# Allegro board DPU_PoE_A1_SizeReduce.brd (continued)
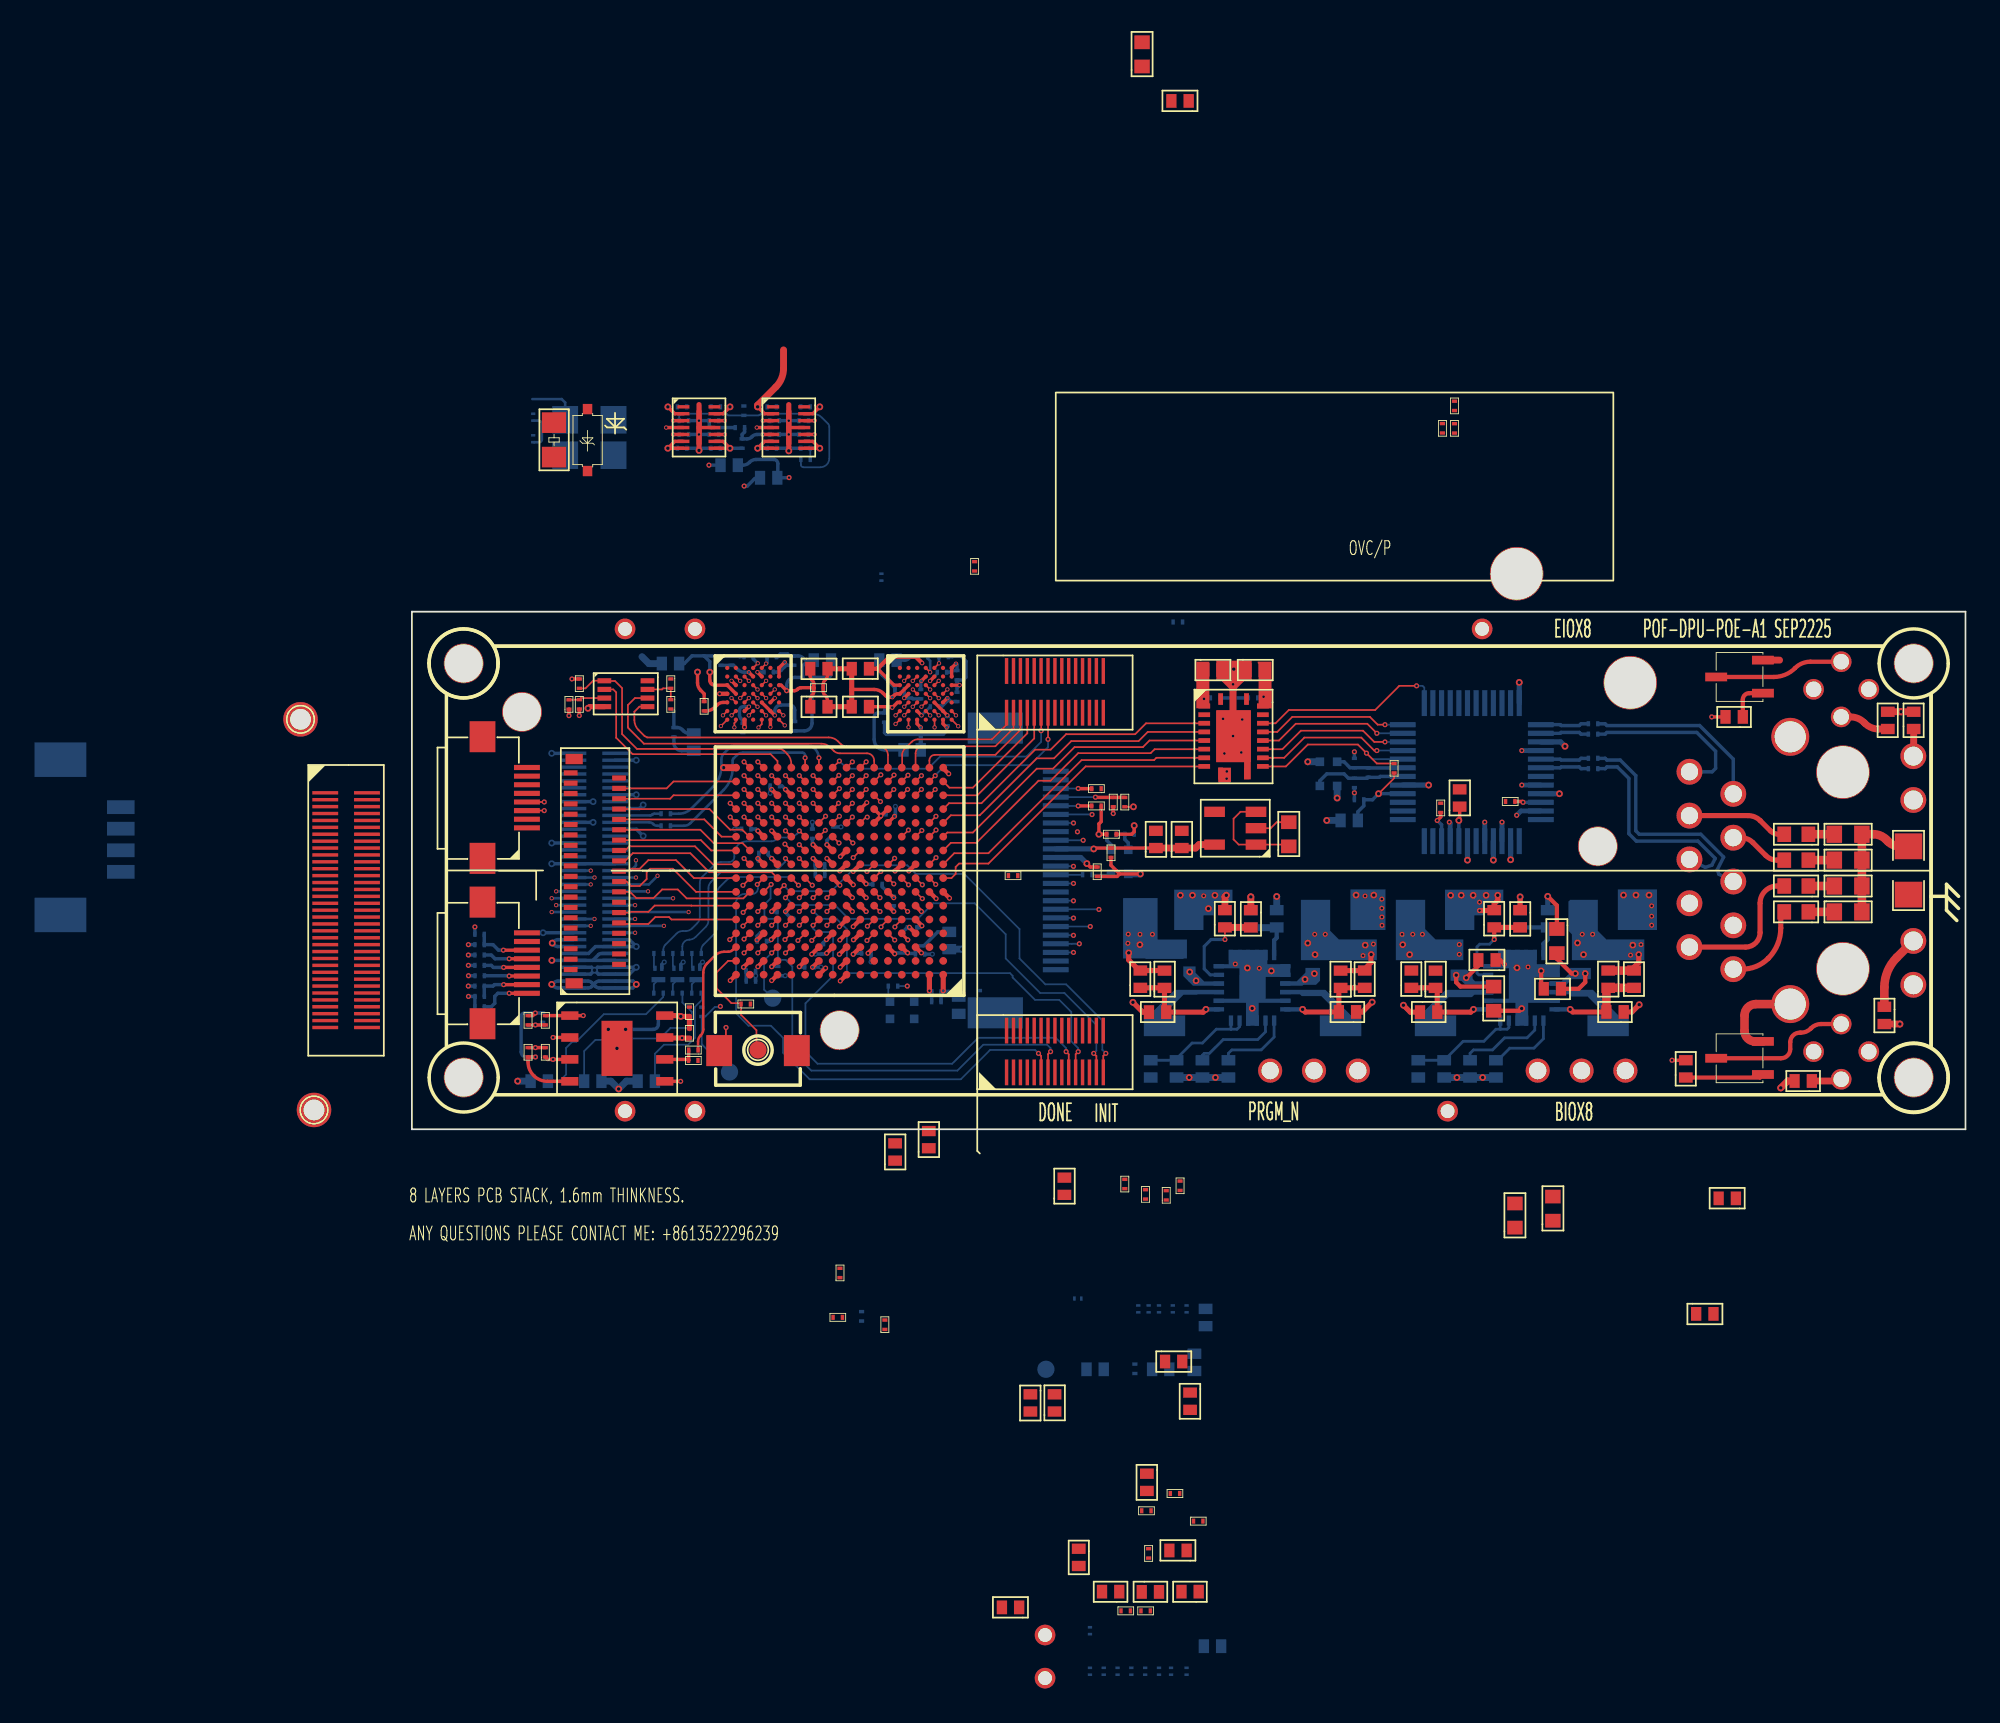
[diagram p0: board, top side]
## Routing (per net, layer and track width the routed paths; a pad name or vN(x,y) marks a point on that pad's centre or on a via; arc(x,y) is an arc through that point) (continued)
P2V8: length 3.7
  TOP w0.102: FB1.1 v3(41.8,18.69)
  BOTTOM w0.4: D18.2 v3(6.13,2.79) ; D19.2 11.53,2.79 v3(11.98,2.34) 12.43,2.79 D17.2
  vias: v1(57.36,11.3) v1(57.98,11.3) v1(58.54,11.3) v1(60.68,10.71) v1(60.68,10.14) v3(57.4,10.7) v3(57.8,10.13)
P3V3: length 22.5
  TOP w0.102: R24.2 56.9,20.35 v3(56,19.45)
  TOP w0.2: U6.7 v3(20.03,39.47) 20.43,39.87 U6.6 ; U6.2 20.43,41.47 v3(20.03,41.87)
  TOP w0.3: v3(71.07,10.13) 71.07,9.67 70.8,9.4 R8.2
  TOP w0.4: R7.2 v3(86.27,24.2) R6.2 ; R49.2 v3(86.2,6.1) ; R60.2 79.7,2.8 v3(79.3,2.4) ; 21.53,45.17 21.53,44.09 arc(21.42,43.52) 21.09,43.03 20.03,41.97 v3(20.03,41.87)
  TOP w0.5: C15.2 R8.2
  SIG-3 w0.3: v3(20.03,41.87) arc(19.39,41.61) 19.13,40.97 19.13,40.37 arc(19.39,39.73) v3(20.03,39.47)
  BOTTOM w0.2: U12.28 v3(56,19.45) 55.65,19.1 C27.2 55.14,18.74 54.8,18.4 C40.2 ; C2.1 49.27,25 v1(49.34,25.07) ; C119.1 v3(20.03,39.47)
  vias: v1(67.8,11.3) v1(68.4,11.3) v1(70.6,10.09) v1(71.2,10.71) v3(67.53,10.8) v3(67.87,10.13) v3(70.73,10.67)
P3V3A: length 7
  BOTTOM w0.28: U12.8 v1(64.3,19.95) ; U12.15 v1(63.15,17.8) ; U12.4 v1(64.3,21.95) ; U12.11 64.25,18.45 v1(64,18.2) ; U12.17 v1(62.15,17.8) ; U12.21 60.15,17.75 v1(60.1,17.8)
P5V0: length 24.4
  TOP w0.2: U5.4 v2(14.73,40.67) ; U5.6 15.23,39.87 v3(14.83,39.47) U5.7 ; U6.4 v2(19.98,40.67)
  TOP w0.25: v3(60.5,8.93) 60.5,8.52 60.75,8.27 C21.2 ; v3(61.08,8.78) 61.78,9.48 C14.2 ; v3(67.97,9.03) 67.97,8.52 67.59,8.14 C50.2 ; v3(67.4,9.03) 67.18,9.03 66.33,9.88 C20.2
  TOP w0.3: R18.1 v3(64.2,13.47)
  TOP w0.4: R57.1 v3(48.6,13.47)
  BOTTOM w0.15: C107.2 8.88,42.12 8.68,42.32 6.98,42.32
  BOTTOM w0.2: C121.1 v3(14.83,39.47)
  BOTTOM w0.3: R18.1 v3(64.2,13.47)
  BOTTOM w0.4: R76.2 v3(46.55,3) R77.2 v3(45.03,3) R35.2 ; R1.2 v3(60.54,3) R66.2 v3(62.03,3) R65.2 ; R84.2 v3(48.6,13.47)
  vias: v3(45.06,9.12) v3(45.43,8.61) v3(51.74,8.69) v3(52.28,9.02)
BIO-3: length 0.5
  TOP w0.102: v1(22.44,13.42) U7.G11
BIO-7_3296077: length 4.1
  BOTTOM w0.2: R91.2 19.18,38.49 arc(19.37,38.53) 19.54,38.64 19.57,38.67 arc(19.74,38.78) 19.93,38.82 20.96,38.82 arc(21.13,38.75) 21.2,38.58 21.2,37.79 R92.2 21.84,37.76 v1(21.85,37.77)
BIO-9: length 0.6
  TOP w0.102: v1(23.2,14.14) U7.H11
C13: length 3.5
  TOP w0.102: v1(20.84,10.22) U7.C13
  BOTTOM w0.102: TP8.1 20.4,8.1 20.4,9.78 v1(20.84,10.22)
DONE: length 7.2
  TOP w0.102: TP4.1 19.96,4.69 19.96,5.74 19.07,6.63 R53.1 19.02,7.31 18.51,7.31 17.65,8.17 17.65,9.09 18.32,9.76 U7.B16
DVP_D0: length 20
  TOP w0.102: v1(27.98,11.73) 27.98,11.76 U7.E4
  SIG-6 w0.102: v1(39.3,11.75) 36.59,11.75 arc(36.51,11.72) 36.48,11.64 36.48,11.48 arc(36.46,11.36) 36.39,11.26 36.34,11.2 arc(36.27,11.04) 36.34,10.89 arc(36.44,10.73) 36.48,10.54 36.48,9.79 arc(36.36,9.51) 36.08,9.39 35.2,9.39 arc(35.03,9.36) 34.88,9.26 34.87,9.24 arc(34.74,9.19) 34.61,9.24 34.46,9.39 arc(34.33,9.44) 34.2,9.39 34.05,9.24 arc(33.93,9.19) 33.8,9.24 33.65,9.39 arc(33.52,9.44) 33.39,9.39 33.33,9.33 arc(33.11,9.24) 32.89,9.33 32.83,9.39 arc(32.71,9.44) 32.58,9.39 32.51,9.32 arc(32.3,9.23) 32.09,9.32 32.02,9.39 arc(31.89,9.44) 31.77,9.39 31.7,9.33 arc(31.49,9.24) 31.27,9.33 31.21,9.39 arc(31.08,9.44) 30.95,9.39 30.8,9.24 arc(30.67,9.19) 30.55,9.24 30.53,9.26 arc(30.38,9.36) 30.21,9.39 27.63,9.39 arc(27.56,9.42) 27.53,9.49 27.53,11.03 arc(27.57,11.22) 27.68,11.39 27.8,11.5 27.8,11.54 v1(27.98,11.73)
  BOTTOM w0.102: J6.19 v1(39.3,11.75)
DVP_D1: length 18.6
  TOP w0.102: v1(26.39,11.77) U7.E6
  SIG-6 w0.102: v1(38.67,10.75) 37.69,10.75 37.52,10.58 arc(37.42,10.42) 37.38,10.24 37.38,9.65 arc(37.34,9.46) 37.23,9.29 36.73,8.79 arc(36.56,8.68) 36.37,8.64 26.96,8.64 26.6,9 26.6,10.1 26.8,10.3 26.8,11.36 v1(26.39,11.77)
  BOTTOM w0.102: v1(38.67,10.75) 38.24,10.75 38.23,10.75 J6.21
DVP_D2: length 17.5
  TOP w0.102: v1(26.36,10.94) U7.D6
  SIG-6 w0.102: v1(38.33,10.25) 38.11,10.25 arc(37.9,9.94) 37.83,9.57 37.83,9.3 arc(37.79,9.11) 37.68,8.94 37.23,8.49 arc(37.13,8.42) 37.01,8.4 29.7,8.4 29.2,7.9 28.5,7.9 28.1,8.3 26.9,8.3 26.3,8.9 26.3,10.88 v1(26.36,10.94)
  BOTTOM w0.102: J6.22 v1(38.33,10.25)
DVP_D3: length 17.9
  TOP w0.102: v1(27.18,11.73) 27.18,11.76 U7.E5
  SIG-6 w0.102: v1(27.18,11.73) 27.18,9.9 arc(27.14,9.71) 27.03,9.54 26.93,9.44 26.93,9.16 27.01,9.07 27.14,9.04 27.17,9.04 arc(27.27,9.02) 27.36,8.96 arc(27.53,8.89) 27.7,8.96 27.74,9 arc(27.96,9.09) 28.18,9 28.23,8.94 arc(28.36,8.89) 28.5,8.94 28.55,9 arc(28.77,9.09) 28.99,9 29.05,8.94 arc(29.18,8.89) 29.3,8.94 29.39,9.03 arc(29.58,9.11) 29.77,9.03 29.86,8.94 36.02,8.94 arc(36.21,8.98) 36.38,9.09 36.78,9.49 arc(36.89,9.66) 36.93,9.85 36.93,10.99 arc(37,11.17) 37.18,11.24 v1(38.33,11.24)
  BOTTOM w0.102: v1(38.33,11.24) 38.32,11.25 J6.20
DVP_D4: length 17.7
  TOP w0.102: v1(27.97,10.97) U7.D5
  SIG-6 w0.102: v1(38.33,12.24) 37.64,12.24 37.49,12.39 36.87,12.39 36.72,12.24 36.22,12.24 arc(35.98,12.14) 35.88,11.9 35.88,11.78 arc(35.87,11.74) 35.85,11.71 35.73,11.59 arc(35.69,11.49) 35.73,11.39 35.84,11.28 arc(35.93,11.07) 35.84,10.85 35.58,10.59 arc(35.55,10.52) 35.58,10.45 35.88,10.15 arc(35.76,9.86) 35.47,9.74 33.17,9.74 arc(32.96,9.82) 32.88,10.03 32.88,10.05 arc(32.8,10.26) 32.59,10.34 32.53,10.34 arc(32.35,10.27) 32.28,10.09 32.28,9.9 arc(32.27,9.84) 32.24,9.8 32.22,9.78 arc(32.18,9.75) 32.12,9.74 31.92,9.74 arc(31.75,9.81) 31.68,9.98 31.68,10.03 arc(31.6,10.21) 31.42,10.29 31.34,10.29 arc(31.16,10.21) 31.08,10.03 31.08,9.95 arc(31.02,9.8) 30.87,9.74 30.84,9.74 arc(30.69,9.8) 30.63,9.95 30.63,10.03 arc(30.55,10.21) 30.37,10.29 30.32,10.29 arc(30.11,10.21) 30.03,10 30.03,9.98 arc(29.95,9.77) 29.74,9.69 28.76,9.69 arc(28.46,9.82) 28.33,10.12 28.33,10.53 arc(28.32,10.57) 28.3,10.6 27.97,10.93 v1(27.97,10.97)
  BOTTOM w0.102: J6.18 38.32,12.25 v1(38.33,12.24)
DVP_D5: length 18
  TOP w0.102: U7.F6 v1(27.12,12.62)
  SIG-6 w0.102: v1(27.12,12.62) 27.13,12.61 27.13,12.24 arc(27.1,12.17) 27.03,12.14 25.98,12.14 arc(25.91,12.17) 25.88,12.24 25.88,13.62 arc(25.93,13.75) 26.06,13.8 26.42,13.8 arc(26.6,13.72) 26.68,13.54 26.68,13.09 arc(26.72,12.98) 26.83,12.94 31.95,12.94 arc(32.01,12.95) 32.05,12.98 32.05,12.98 arc(32.12,13.03) 32.19,13.04 32.81,13.04 32.81,13.04 36.02,13.04 36.03,13.04 36.75,13.04 arc(36.87,13.06) 36.97,13.13 36.99,13.15 arc(37.09,13.22) 37.21,13.24 v1(38.33,13.24)
  BOTTOM w0.102: v1(38.33,13.24) 38.32,13.25 J6.16
DVP_D6: length 17.7
  TOP w0.102: v1(29.57,13.37) U7.G3
  SIG-6 w0.102: v1(38.33,14.25) 37.48,14.25 37.38,14.15 37.38,13.7 37.28,13.6 37.07,13.6 36.97,13.7 36.97,14.15 36.87,14.25 36.43,14.25 36.33,14.15 36.33,13.6 36.22,13.5 36.02,13.5 35.92,13.6 35.92,14.15 35.82,14.25 35.61,14.25 35.51,14.15 35.51,13.6 35.41,13.5 35.21,13.5 35.11,13.6 35.11,14.15 35,14.25 34.8,14.25 34.7,14.15 34.7,13.6 34.6,13.5 34.39,13.5 34.29,13.6 34.29,14.15 34.19,14.25 33.99,14.25 33.89,14.15 33.89,13.6 33.78,13.5 33.58,13.5 33.48,13.6 33.48,14.15 33.38,14.25 33.15,14.25 32.7,13.8 32.2,13.8 31.77,13.37 31.5,13.37 31.4,13.47 31.4,13.6 31.3,13.7 31.09,13.7 30.99,13.6 30.99,13.47 30.89,13.37 30.69,13.37 30.59,13.47 30.59,13.6 30.48,13.7 30.28,13.7 30.18,13.6 30.18,13.47 30.08,13.37 v1(29.57,13.37)
  BOTTOM w0.102: J6.14 v1(38.33,14.25)
DVP_D7: length 17.7
  TOP w0.102: v1(30.34,14.19) U7.H2
  SIG-6 w0.102: v1(30.34,14.19) 30.38,14.15 30.52,14.15 arc(30.63,14.2) 30.68,14.31 30.68,14.43 arc(30.6,14.61) 30.42,14.69 29.58,14.69 arc(29.46,14.71) 29.37,14.78 29.34,14.8 arc(29.31,14.88) 29.34,14.95 29.36,14.97 arc(29.44,15.02) 29.54,15.04 31.17,15.04 arc(31.49,14.9) 31.63,14.58 31.63,14.28 arc(31.69,14.15) 31.82,14.09 31.84,14.09 arc(31.97,14.15) 32.03,14.28 32.03,15.14 arc(31.99,15.25) 31.88,15.29 31.85,15.29 arc(31.72,15.32) 31.61,15.39 31.61,15.39 arc(31.56,15.5) 31.61,15.62 31.62,15.63 arc(31.69,15.67) 31.77,15.69 32.29,15.69 arc(32.42,15.63) 32.48,15.5 32.48,15.41 arc(32.5,15.3) 32.57,15.21 arc(32.67,15.16) 32.77,15.21 32.8,15.24 arc(32.83,15.28) 32.84,15.33 32.84,15.55 arc(32.85,15.6) 32.88,15.64 32.89,15.65 arc(32.93,15.68) 32.98,15.69 33.4,15.69 arc(33.45,15.7) 33.49,15.73 33.51,15.74 arc(33.53,15.78) 33.54,15.83 33.54,15.85 arc(33.55,15.9) 33.58,15.94 33.59,15.95 arc(33.63,15.98) 33.68,15.99 33.7,15.99 arc(33.75,15.98) 33.79,15.95 33.81,15.94 arc(33.84,15.89) 33.85,15.84 33.85,15.82 arc(33.88,15.74) 33.95,15.71 34.04,15.71 arc(34.08,15.72) 34.12,15.74 arc(34.14,15.78) 34.15,15.83 34.15,15.85 arc(34.16,15.9) 34.19,15.94 arc(34.22,15.96) 34.26,15.97 34.35,15.97 arc(34.39,15.96) 34.42,15.94 arc(34.45,15.89) 34.46,15.84 arc(34.5,15.75) 34.58,15.71 34.76,15.71 arc(34.8,15.72) 34.83,15.74 34.98,15.89 arc(35.17,15.97) 35.35,15.89 35.45,15.79 arc(35.54,15.73) 35.64,15.71 35.87,15.71 arc(35.91,15.72) 35.94,15.74 arc(35.97,15.78) 35.98,15.83 35.98,15.85 arc(35.99,15.9) 36.02,15.94 36.03,15.95 arc(36.07,15.98) 36.12,15.99 36.14,15.99 arc(36.19,15.98) 36.23,15.95 36.25,15.93 arc(36.28,15.89) 36.29,15.84 arc(36.33,15.75) 36.42,15.71 36.66,15.71 arc(36.89,15.67) 37.08,15.54 37.23,15.39 arc(37.4,15.28) 37.59,15.24 v1(38.33,15.24)
  BOTTOM w0.102: J6.12 38.33,15.25 v1(38.33,15.24)
DVP_HSYNC: length 19.1
  TOP w0.102: v1(29.57,14.17) U7.H3
  SIG-6 w0.102: v1(29.57,14.17) 29.62,14.12 29.62,13.94 arc(29.58,13.83) 29.47,13.79 29.36,13.79 29.17,13.94 29.17,14.34 29.13,14.38 29.13,14.39 arc(29.1,14.46) 29.03,14.49 28.95,14.57 28.55,14.57 28.38,14.85 28.38,14.93 arc(28.5,15.22) 28.79,15.34 29.17,15.34 arc(29.36,15.38) 29.53,15.49 29.55,15.51 arc(29.61,15.66) 29.55,15.82 29.41,15.96 arc(29.36,16.09) 29.41,16.22 29.43,16.24 arc(29.57,16.33) 29.74,16.37 29.78,16.37 arc(29.92,16.31) 29.98,16.17 29.98,15.7 arc(30.07,15.49) 30.28,15.4 30.45,15.4 arc(30.65,15.48) 30.73,15.68 30.73,15.7 arc(30.83,15.94) 31.07,16.04 32.7,16.04 arc(32.79,16.08) 32.83,16.17 32.83,16.56 arc(32.86,16.63) 32.93,16.66 33.16,16.66 33.23,16.59 33.23,16.4 arc(33.24,16.34) 33.27,16.3 33.29,16.28 arc(33.33,16.25) 33.39,16.24 33.42,16.24 arc(33.48,16.25) 33.53,16.29 33.57,16.33 arc(33.61,16.4) 33.63,16.48 33.63,16.59 arc(33.66,16.66) 33.73,16.69 33.84,16.69 arc(34.02,16.66) 34.16,16.56 34.3,16.42 arc(34.55,16.31) 34.81,16.42 34.92,16.53 arc(35.16,16.63) 35.39,16.53 35.48,16.44 arc(35.63,16.38) 35.78,16.44 35.85,16.51 arc(36.05,16.59) 36.26,16.51 36.27,16.5 arc(36.48,16.41) 36.69,16.5 36.78,16.59 arc(36.95,16.7) 37.14,16.74 38.88,16.74 v1(38.89,16.75)
  BOTTOM w0.102: v1(38.89,16.75) J6.9
DVP_MCLK: length 1.6
  BOTTOM w0.102: J6.13 38.85,14.75 R30.2
DVP_PCLK: length 16.4
  TOP w0.102: v1(28.72,12.62) U7.F4
  SIG-6 w0.102: v1(28.72,12.62) 28.87,12.47 28.87,12.45 29.03,12.29 arc(29.17,12.19) 29.34,12.16 30.24,12.16 30.5,11.9 30.9,11.9 31.18,12.18 31.5,12.18 31.6,12.08 31.6,11.74 31.7,11.64 31.9,11.64 32,11.74 32,12.4 arc(32.03,12.47) 32.1,12.5 32.33,12.5 arc(32.4,12.47) 32.43,12.4 32.43,12.15 arc(32.5,11.97) 32.68,11.9 34.86,11.9 35.7,12.74 v1(39.8,12.74)
  BOTTOM w0.102: v1(39.8,12.74) 39.79,12.75 J6.17
DVP_PWDN: length 9.6
  TOP w0.102: v1(30.36,15.74) U7.J2
  SIG-6 w0.102: v1(38.56,17.24) 36.95,17.24 arc(36.79,17.21) 36.66,17.12 36.65,17.11 arc(36.52,17.02) 36.36,16.99 32.94,16.99 arc(32.75,16.95) 32.58,16.84 32.25,16.51 arc(32.09,16.4) 31.89,16.37 30.5,16.37 arc(30.41,16.32) 30.36,16.23 v1(30.36,15.74)
DVP_RST: length 15.5
  TOP w0.102: U7.J5 27.62,15.36 v1(27.96,15.71)
  SIG-6 w0.102: v1(39.4,18.24) 37.14,18.24 arc(36.95,18.28) 36.78,18.39 36.73,18.44 arc(36.56,18.55) 36.37,18.59 33.99,18.59 arc(33.8,18.55) 33.63,18.44 32.93,17.74 arc(32.76,17.63) 32.57,17.59 32.39,17.59 arc(32.2,17.55) 32.03,17.44 31.68,17.09 arc(31.51,16.98) 31.32,16.94 28.99,16.94 arc(28.8,16.9) 28.63,16.79 28.11,16.27 arc(28,16.11) 27.96,15.93 v1(27.96,15.71)
  BOTTOM w0.102: J6.6 39.39,18.25 v1(39.4,18.24)
DVP_SCL: length 12.4
  TOP w0.102: v1(29.54,17.32) U7.L3
  TOP w0.2: v1(38.6,18.74) R17.2
  SIG-6 w0.102: v1(38.6,18.74) 37.39,18.74 arc(37.24,18.77) 37.11,18.86 37.08,18.89 arc(36.94,18.99) 36.76,19.02 33.64,19.02 arc(33.45,18.98) 33.28,18.87 32.63,18.22 arc(32.56,18.17) 32.47,18.16 32.45,18.16 arc(32.36,18.14) 32.29,18.09 32.04,17.84 arc(31.87,17.73) 31.68,17.69 29.91,17.69 v1(29.54,17.32)
  BOTTOM w0.102: J6.5 38.09,18.75 38.1,18.74 v1(38.6,18.74)
DVP_SDA: length 11.4
  TOP w0.102: v1(30.36,18.14) U7.M2
  TOP w0.2: R16.2 38.61,19.74 v1(38.6,19.75)
  SIG-6 w0.102: v1(30.36,18.14) 30.37,18.15 31.54,18.15 arc(31.73,18.19) 31.9,18.3 32.89,19.29 arc(33.06,19.4) 33.25,19.44 36.05,19.44 arc(36.23,19.47) 36.37,19.57 36.39,19.59 arc(36.57,19.71) 36.78,19.75 v1(38.6,19.75)
  BOTTOM w0.102: J6.3 v1(38.6,19.75)
DVP_VSYNC: length 17.8
  TOP w0.102: v1(28.77,14.17) U7.H4
  SIG-6 w0.102: v1(28.77,14.17) 28.77,13.89 arc(28.74,13.82) 28.67,13.79 27.78,13.79 arc(27.6,13.86) 27.53,14.04 27.53,15.09 arc(27.59,15.24) 27.74,15.3 27.96,15.3 arc(28.13,15.33) 28.26,15.42 28.32,15.48 arc(28.47,15.58) 28.66,15.62 28.68,15.62 arc(28.82,15.68) 28.88,15.82 28.88,16.27 arc(29,16.57) 29.3,16.69 31.67,16.69 arc(31.86,16.73) 32.03,16.84 32.33,17.14 arc(32.5,17.25) 32.69,17.29 32.97,17.29 arc(33.16,17.33) 33.33,17.44 33.49,17.6 arc(33.64,17.7) 33.82,17.74 33.84,17.74 arc(34.02,17.78) 34.17,17.88 34.23,17.94 arc(34.34,17.98) 34.44,17.94 34.48,17.9 arc(34.52,17.83) 34.54,17.75 34.54,17.73 arc(34.56,17.65) 34.6,17.58 34.64,17.54 arc(34.74,17.5) 34.85,17.54 34.88,17.58 arc(34.93,17.65) 34.95,17.73 34.95,17.75 arc(34.96,17.83) 35.01,17.9 35.05,17.94 arc(35.15,17.98) 35.25,17.94 35.29,17.9 arc(35.34,17.83) 35.35,17.75 35.35,17.73 arc(35.37,17.65) 35.42,17.58 35.45,17.54 arc(35.56,17.5) 35.66,17.54 35.7,17.58 arc(35.74,17.65) 35.76,17.73 35.76,17.75 arc(35.78,17.83) 35.82,17.9 35.86,17.94 arc(35.96,17.98) 36.07,17.94 36.17,17.83 arc(36.28,17.76) 36.4,17.74 38.16,17.74 38.17,17.75 v1(38.33,17.75)
  BOTTOM w0.102: v1(38.33,17.75) J6.7
E_CSN: length 18
  TOP w0.102: U3.9 39.03,21.03 33.4,15.4 31.7,15.4 31.5,15.2 31.5,14.8 31.26,14.56 U7.H1
E_INT: length 17.3
  TOP w0.102: U7.M1 31.22,18.2 32.9,18.2 36.2,21.5 37.2,21.5 38.2,22.5 42.1,22.5 42.63,23.03 U3.5
E_MISO: length 17.6
  TOP w0.102: 30.78,16.16 31.22,16.6 32.7,16.6 36.3,20.2 37,20.2 38.6,21.8 42.8,21.8 43.03,22.03 U3.7
E_MOSI: length 17.4
  TOP w0.102: U3.6 42.73,22.53 42.35,22.15 38.39,22.15 37.14,20.9 36.2,20.9 32.5,17.2 31.02,17.2 U7.L1
E_RST: length 17.2
  TOP w0.102: U7.N1 31.12,18.9 33,18.9 36.1,22 37,22 37.9,22.9 41.9,22.9 42.53,23.53 U3.4
E_SCLK: length 17.7
  TOP w0.102: U7.J1 31.42,16 33.4,16 38.8,21.4 43,21.4 43.13,21.53 U3.8
EIO-2: length 0.5
  TOP w0.102: v1(27.92,14.22) U7.H5
EIO-3: length 0.5
  TOP w0.102: v1(27.16,14.94) U7.H6
EIO-4: length 0.5
  TOP w0.102: v1(27.12,13.42) U7.G6
EIO-5: length 0.6
  TOP w0.102: v1(26.36,14.94) U7.J6
EN_ME1: length 6.9
  BOTTOM w0.16: U14.5 47.95,5.95 47.8,5.8 47.45,5.8 ; U14.6 47.45,5.8 ; 47.45,5.8 46.6,5.8 45.8,5 45.2,5 44.3,4.1 R35.1 R36.1
EN_ME2: length 6.9
  BOTTOM w0.16: U11.6 63.05,5.8 ; 63.05,5.8 63.45,5.8 63.55,5.9 U11.5 ; 63.05,5.8 62.8,5.8 62.1,5.1 60.9,5.1 R1.1 R2.1
ETH_CSN: length 10.8
  TOP w0.102: U3.12 50.63,21.03 51.9,22.3 54.8,22.3 v1(55.3,21.8) 55.9,21.2 R24.1
  BOTTOM w0.102: v1(55.3,21.8) 55.65,21.45 U12.32
ETH_INT: length 8.6
  TOP w0.102: v1(56.37,23.45) 55.95,23.45 55.5,23.9 51,23.9 50.13,23.03 U3.16
  BOTTOM w0.102: U12.36 v1(56.37,23.45)
ETH_MISO: length 8.8
  TOP w0.102: v1(56.37,22.45) 55.75,22.45 55.1,23.1 51.5,23.1 50.43,22.03 U3.14
  BOTTOM w0.102: U12.34 v1(56.37,22.45)
ETH_MOSI: length 8.7
  TOP w0.102: v1(55.9,22.95) 55.35,23.5 51.2,23.5 50.23,22.53 U3.15
  BOTTOM w0.102: U12.35 v1(55.9,22.95)
ETH_RST: length 11.2
  TOP w0.102: U3.17 50.03,23.53 50.8,24.3 55.8,24.3 57.2,25.7 v1(58.2,25.7)
  BOTTOM w0.102: U12.37 58.65,25.6 58.55,25.7 v1(58.2,25.7)
ETH_SCLK: length 8.9
  TOP w0.102: U3.13 50.53,21.53 51.7,22.7 55,22.7 55.75,21.95 v1(55.9,21.95)
  BOTTOM w0.102: U12.33 v1(55.9,21.95)
FP_LED0: length 21.4
  TOP w0.102: J9.3 v1(7.67,18.47) ; v1(26.38,18.09) 26.31,18.09 U7.M7
  SIG-6 w0.102: v1(7.67,18.47) 14.23,18.47 15.4,17.3 19.2,17.3 19.6,16.9 25.19,16.9 v1(26.38,18.09)
FP_LED1: length 20
  TOP w0.102: v1(25.52,18.1) U7.M8 ; J9.4 v1(7.67,18.97)
  SIG-6 w0.102: v1(25.52,18.1) 25.12,17.7 15.8,17.7 14.53,18.97 v1(7.67,18.97)
H1_CKN: length 14.6
  TOP w0.102: U7.T8 v1(25.52,21.3) ; U2.B2 v2(28.52,25.99)
  SIG-6 w0.102: v2(28.52,25.99) 28.47,25.94 28.1,25.94 arc(27.95,26) 27.89,26.15 27.89,26.52 arc(27.95,26.67) 28.1,26.73 28.56,26.73 arc(28.91,26.88) 29.06,27.23 29.06,27.26 arc(28.9,27.65) 28.51,27.81 25.54,27.81 arc(25.14,27.65) 24.98,27.25 24.98,22.63 arc(25.02,22.43) 25.13,22.27 25.67,21.73 arc(25.72,21.6) 25.67,21.47 25.52,21.32 v1(25.52,21.3)
H1_CKP: length 14.8
  TOP w0.102: v2(29.02,25.99) U2.B3 ; v1(26.32,21.3) U7.T7
  SIG-6 w0.102: v2(29.02,25.99) 28.98,25.99 28.71,25.72 arc(28.62,25.66) 28.52,25.64 28.1,25.64 arc(27.74,25.79) 27.59,26.15 27.59,26.52 arc(27.74,26.88) 28.1,27.03 28.56,27.03 arc(28.7,27.09) 28.76,27.23 28.76,27.26 arc(28.68,27.44) 28.51,27.51 25.54,27.51 arc(25.36,27.43) 25.28,27.25 25.28,22.63 arc(25.3,22.55) 25.34,22.48 25.88,21.94 arc(25.99,21.77) 26.03,21.58 26.03,21.58 v1(26.32,21.3)
H1_CS: length 19.4
  TOP w0.102: v2(30.02,26.49) U2.A4 ; v1(27.92,19.7) U7.P5
  SIG-6 w0.102: v1(27.92,19.7) 28.29,19.33 28.31,19.33 arc(28.4,19.3) 28.49,19.29 30.54,19.29 arc(30.65,19.34) 30.7,19.45 30.7,19.91 arc(30.71,19.97) 30.75,20.03 arc(30.81,20.07) 30.87,20.08 31.23,20.08 arc(31.42,20.12) 31.59,20.23 31.68,20.32 arc(31.85,20.43) 32.04,20.47 33.07,20.47 arc(33.26,20.51) 33.43,20.62 35.24,22.43 arc(35.35,22.6) 35.39,22.79 35.39,24.89 arc(35.35,25.08) 35.24,25.25 34.25,26.24 arc(34.08,26.35) 33.89,26.39 30.18,26.39 arc(30.12,26.4) 30.08,26.43 v2(30.02,26.49)
  BOTTOM w0.15: R62.1 29.88,27.29 30.02,27.15 v2(30.02,26.49)
H1_D0: length 15.2
  TOP w0.102: v1(26.32,19.7) U7.P7 ; v2(30.02,24.99) U2.D4
  SIG-6 w0.102: v1(26.32,19.7) 26.49,19.52 26.49,19.49 arc(26.55,19.46) 26.62,19.45 27.34,19.45 arc(27.41,19.48) 27.44,19.55 27.44,19.67 arc(27.44,19.71) 27.41,19.74 arc(27.38,19.77) 27.34,19.78 26.92,19.78 arc(26.85,19.8) 26.82,19.88 26.82,19.98 arc(26.86,20.07) 26.95,20.11 28.23,20.11 arc(28.34,20.16) 28.39,20.27 28.39,21.28 arc(28.41,21.38) 28.47,21.47 28.96,21.96 arc(29.08,22.04) 29.22,22.07 31.89,22.07 arc(32.25,22.22) 32.4,22.58 arc(32.39,22.64) 32.36,22.69 arc(32.28,22.87) 32.36,23.05 32.49,23.18 arc(32.57,23.37) 32.49,23.56 31.88,24.17 arc(31.68,24.3) 31.45,24.35 30.09,24.35 arc(30.05,24.36) 30.02,24.38 29.98,24.42 arc(29.95,24.49) 29.98,24.56 30.1,24.68 arc(30.15,24.8) 30.1,24.91 v2(30.02,24.99)
H1_D1: length 15
  TOP w0.102: v1(25.52,20.5) 25.18,20.16 ; v2(29.02,25.49) U2.D3
  SIG-6 w0.102: v1(25.52,20.5) 25.85,20.83 25.99,20.83 arc(26.05,20.84) 26.11,20.84 26.44,20.84 arc(26.61,20.91) 26.68,21.08 26.68,21.78 arc(26.64,21.97) 26.53,22.14 25.78,22.89 arc(25.67,23.06) 25.63,23.25 25.63,26.34 arc(25.66,26.42) 25.73,26.45 26.31,26.45 arc(26.38,26.48) 26.41,26.55 26.41,26.69 arc(26.38,26.76) 26.31,26.79 25.76,26.79 arc(25.69,26.82) 25.66,26.89 25.66,27.04 arc(25.69,27.12) 25.77,27.15 27.11,27.15 arc(27.24,27.1) 27.29,26.97 27.29,25.68 arc(27.38,25.46) 27.6,25.37 28.91,25.37 arc(28.99,25.4) 29.02,25.48 v2(29.02,25.49)
H1_D2: length 15.1
  TOP w0.102: v2(30.52,25.99) U2.C5 ; v1(29.52,19.7) U7.P3
  SIG-6 w0.102: v1(29.52,19.7) 29.52,19.82 29.62,19.92 29.77,19.92 arc(29.86,19.96) 29.9,20.05 29.9,20.76 arc(29.95,20.87) 30.06,20.92 32.9,20.92 arc(33.09,20.96) 33.26,21.07 34.81,22.62 arc(34.92,22.79) 34.96,22.98 34.96,24.78 arc(34.92,24.97) 34.81,25.14 34.01,25.94 arc(33.84,26.05) 33.65,26.09 30.68,26.09 arc(30.62,26.08) 30.58,26.05 v2(30.52,25.99)
H1_D3: length 15
  TOP w0.102: v1(28.74,20.52) 28.38,20.16 ; v2(30.52,24.99) U2.D5
  SIG-6 w0.102: v2(30.52,24.99) 30.52,24.74 arc(30.55,24.67) 30.62,24.64 31.94,24.64 arc(31.99,24.63) 32.03,24.6 32.04,24.59 arc(32.07,24.55) 32.08,24.5 32.08,24.4 arc(32.13,24.29) 32.24,24.24 32.41,24.24 arc(32.48,24.27) 32.51,24.34 32.51,24.6 arc(32.54,24.68) 32.62,24.71 32.9,24.71 arc(33.02,24.66) 33.07,24.54 arc(33.04,24.41) 32.97,24.3 32.74,24.07 arc(32.69,23.96) 32.74,23.85 32.81,23.78 arc(32.88,23.75) 32.95,23.78 33.13,23.96 33.13,23.98 arc(33.17,24.06) 33.25,24.1 33.33,24.1 33.64,23.79 arc(33.67,23.75) 33.68,23.7 33.68,23.68 arc(33.67,23.63) 33.64,23.58 33.63,23.57 arc(33.58,23.54) 33.53,23.53 33.18,23.53 arc(33.11,23.5) 33.08,23.43 33.08,23.28 arc(33.11,23.21) 33.18,23.18 33.36,23.18 arc(33.43,23.15) 33.46,23.08 33.46,22.94 arc(33.39,22.79) 33.24,22.72 33.22,22.72 arc(33.11,22.75) 33.01,22.81 32.91,22.91 arc(32.83,22.94) 32.76,22.91 32.66,22.81 arc(32.63,22.74) 32.66,22.67 32.84,22.49 arc(32.87,22.42) 32.84,22.35 32.45,21.96 arc(32.28,21.85) 32.09,21.81 29.56,21.81 arc(29.33,21.76) 29.13,21.63 28.92,21.42 arc(28.79,21.22) 28.74,20.99 v1(28.74,20.52)
H1_D4: length 15
  TOP w0.102: v2(31.02,25.49) U2.D6 ; v1(28.72,19.7) U7.P4
  SIG-6 w0.102: v1(28.72,19.7) 29,19.98 29.03,19.98 arc(29.1,20.12) 29.13,20.28 29.13,21.03 arc(29.27,21.38) 29.62,21.52 32.33,21.52 arc(32.52,21.56) 32.69,21.67 33.89,22.87 arc(34.04,23.09) 34.09,23.35 34.09,23.95 arc(34.05,24.06) 33.94,24.11 33.82,24.11 arc(33.69,24.16) 33.63,24.3 33.63,24.35 arc(33.66,24.42) 33.73,24.45 34,24.45 arc(34.07,24.48) 34.1,24.55 34.1,24.7 arc(34.07,24.77) 34,24.8 33.77,24.8 arc(33.7,24.83) 33.67,24.9 33.67,25.07 arc(33.65,25.18) 33.58,25.27 33.57,25.29 arc(33.49,25.32) 33.4,25.29 33.38,25.27 arc(33.34,25.21) 33.33,25.14 33.33,25.12 arc(33.32,25.06) 33.28,25 33.23,24.95 arc(33.14,24.91) 33.05,24.95 33.04,24.96 arc(33.02,25) 33.01,25.04 33.01,25.34 arc(32.98,25.41) 32.91,25.44 32.84,25.44 arc(32.79,25.43) 32.76,25.41 32.49,25.14 arc(32.32,25.03) 32.13,24.99 31.74,24.99 arc(31.55,25.03) 31.38,25.14 31.03,25.49 v2(31.02,25.49)
H1_D5: length 15.1
  TOP w0.102: v1(27.93,20.53) 27.93,20.51 27.58,20.16 ; v2(29.52,24.49) U2.E4
  SIG-6 w0.102: v1(27.93,20.53) 27.92,20.54 27.92,20.79 arc(27.9,20.87) 27.85,20.95 27.84,20.96 arc(27.79,21.03) 27.77,21.12 27.77,21.17 arc(27.8,21.24) 27.87,21.27 27.93,21.27 arc(28.01,21.3) 28.04,21.38 28.04,21.46 arc(28.03,21.51) 28,21.55 27.95,21.6 27.86,21.6 27.76,21.7 arc(27.73,21.78) 27.76,21.85 27.77,21.86 arc(27.84,21.9) 27.92,21.92 28.1,21.92 arc(28.29,21.96) 28.46,22.07 28.83,22.44 arc(29.05,22.53) 29.26,22.44 arc(29.4,22.38) 29.54,22.44 29.6,22.5 arc(29.69,22.56) 29.8,22.58 29.83,22.58 arc(29.93,22.6) 30.02,22.66 30.03,22.67 arc(30.12,22.73) 30.22,22.75 30.39,22.75 arc(30.52,22.69) 30.58,22.56 30.58,22.54 30.68,22.44 arc(30.75,22.41) 30.83,22.44 31.02,22.64 arc(31.06,22.66) 31.1,22.67 31.17,22.67 31.24,22.6 31.24,22.52 arc(31.27,22.45) 31.34,22.42 31.49,22.42 arc(31.56,22.45) 31.59,22.52 31.59,22.75 arc(31.62,22.82) 31.69,22.85 31.8,22.85 arc(31.88,22.87) 31.95,22.91 31.99,22.95 arc(32.12,23.27) 31.99,23.59 31.94,23.64 arc(31.9,23.67) 31.85,23.68 31.41,23.68 arc(31.33,23.64) 31.29,23.56 31.29,23.12 arc(31.26,23.04) 31.19,23.01 30.69,23.01 arc(30.62,23.04) 30.59,23.12 30.59,23.4 arc(30.57,23.53) 30.5,23.63 30.49,23.64 arc(30.24,23.74) 30,23.64 29.94,23.58 arc(29.91,23.54) 29.9,23.48 29.9,23.01 arc(29.87,22.94) 29.8,22.91 29.25,22.91 arc(29.15,22.95) 29.11,23.05 29.11,23.7 29.18,23.77 29.18,23.97 arc(29.21,24.13) 29.3,24.26 29.52,24.48 v2(29.52,24.49)
H1_D6: length 15.1
  TOP w0.102: v1(27.16,20.54) 26.78,20.16 ; v2(29.02,24.49) U2.E3
  SIG-6 w0.102: v1(27.16,20.54) 27.4,20.78 27.4,20.8 arc(27.42,20.87) 27.43,20.95 27.43,22.11 arc(27.39,22.3) 27.28,22.47 26.43,23.32 arc(26.32,23.49) 26.28,23.68 26.28,24.34 arc(26.33,24.45) 26.44,24.5 27.27,24.5 arc(27.34,24.47) 27.37,24.4 27.37,24.28 arc(27.34,24.21) 27.27,24.18 26.71,24.18 arc(26.64,24.15) 26.61,24.08 26.61,23.94 arc(26.64,23.87) 26.71,23.84 27.44,23.84 arc(27.51,23.81) 27.54,23.74 27.54,23.64 arc(27.51,23.56) 27.44,23.54 27.06,23.54 arc(27.01,23.53) 26.98,23.5 26.96,23.49 arc(26.94,23.45) 26.93,23.41 26.93,23.39 arc(26.94,23.34) 26.96,23.31 27.43,22.84 arc(27.53,22.8) 27.62,22.84 27.68,22.89 arc(27.71,22.94) 27.72,23 27.72,23.02 arc(27.73,23.08) 27.76,23.12 arc(27.91,23.18) 28.05,23.12 28.12,23.05 arc(28.18,22.91) 28.12,22.77 28.1,22.74 arc(28.05,22.71) 27.99,22.7 arc(27.83,22.64) 27.77,22.48 27.77,22.44 arc(27.81,22.34) 27.91,22.3 28.09,22.3 arc(28.36,22.41) 28.47,22.68 28.47,23.27 arc(28.51,23.46) 28.62,23.63 28.74,23.75 arc(28.84,23.9) 28.88,24.08 28.88,24.26 arc(28.9,24.34) 28.94,24.41 v2(29.02,24.49)
H1_D7: length 15
  TOP w0.102: v2(28.52,24.49) U2.E2 ; v1(26.32,20.5) 25.98,20.16
  SIG-6 w0.102: v1(26.32,20.5) 26.33,20.51 26.55,20.51 26.93,20.89 arc(27.04,21.06) 27.08,21.25 27.08,22.03 arc(27.04,22.22) 26.93,22.39 26.08,23.24 arc(25.97,23.41) 25.93,23.6 25.93,26.01 arc(25.97,26.1) 26.06,26.14 26.57,26.14 arc(26.64,26.17) 26.67,26.24 26.67,26.41 arc(26.7,26.48) 26.77,26.51 26.92,26.51 arc(26.99,26.48) 27.02,26.41 27.02,25.92 arc(26.99,25.84) 26.91,25.81 26.31,25.81 arc(26.23,25.78) 26.2,25.7 26.2,25.51 arc(26.23,25.44) 26.3,25.41 26.98,25.41 arc(27.06,25.38) 27.09,25.3 27.09,25.18 arc(27.07,25.11) 26.99,25.08 26.35,25.08 arc(26.31,25.08) 26.27,25.05 26.26,25.04 arc(26.24,25) 26.23,24.97 26.23,24.9 arc(26.26,24.83) 26.33,24.8 28.21,24.8 v2(28.52,24.49)